# Altium PCB Motherboard.PcbDoc (part 1 of 2) (continued)
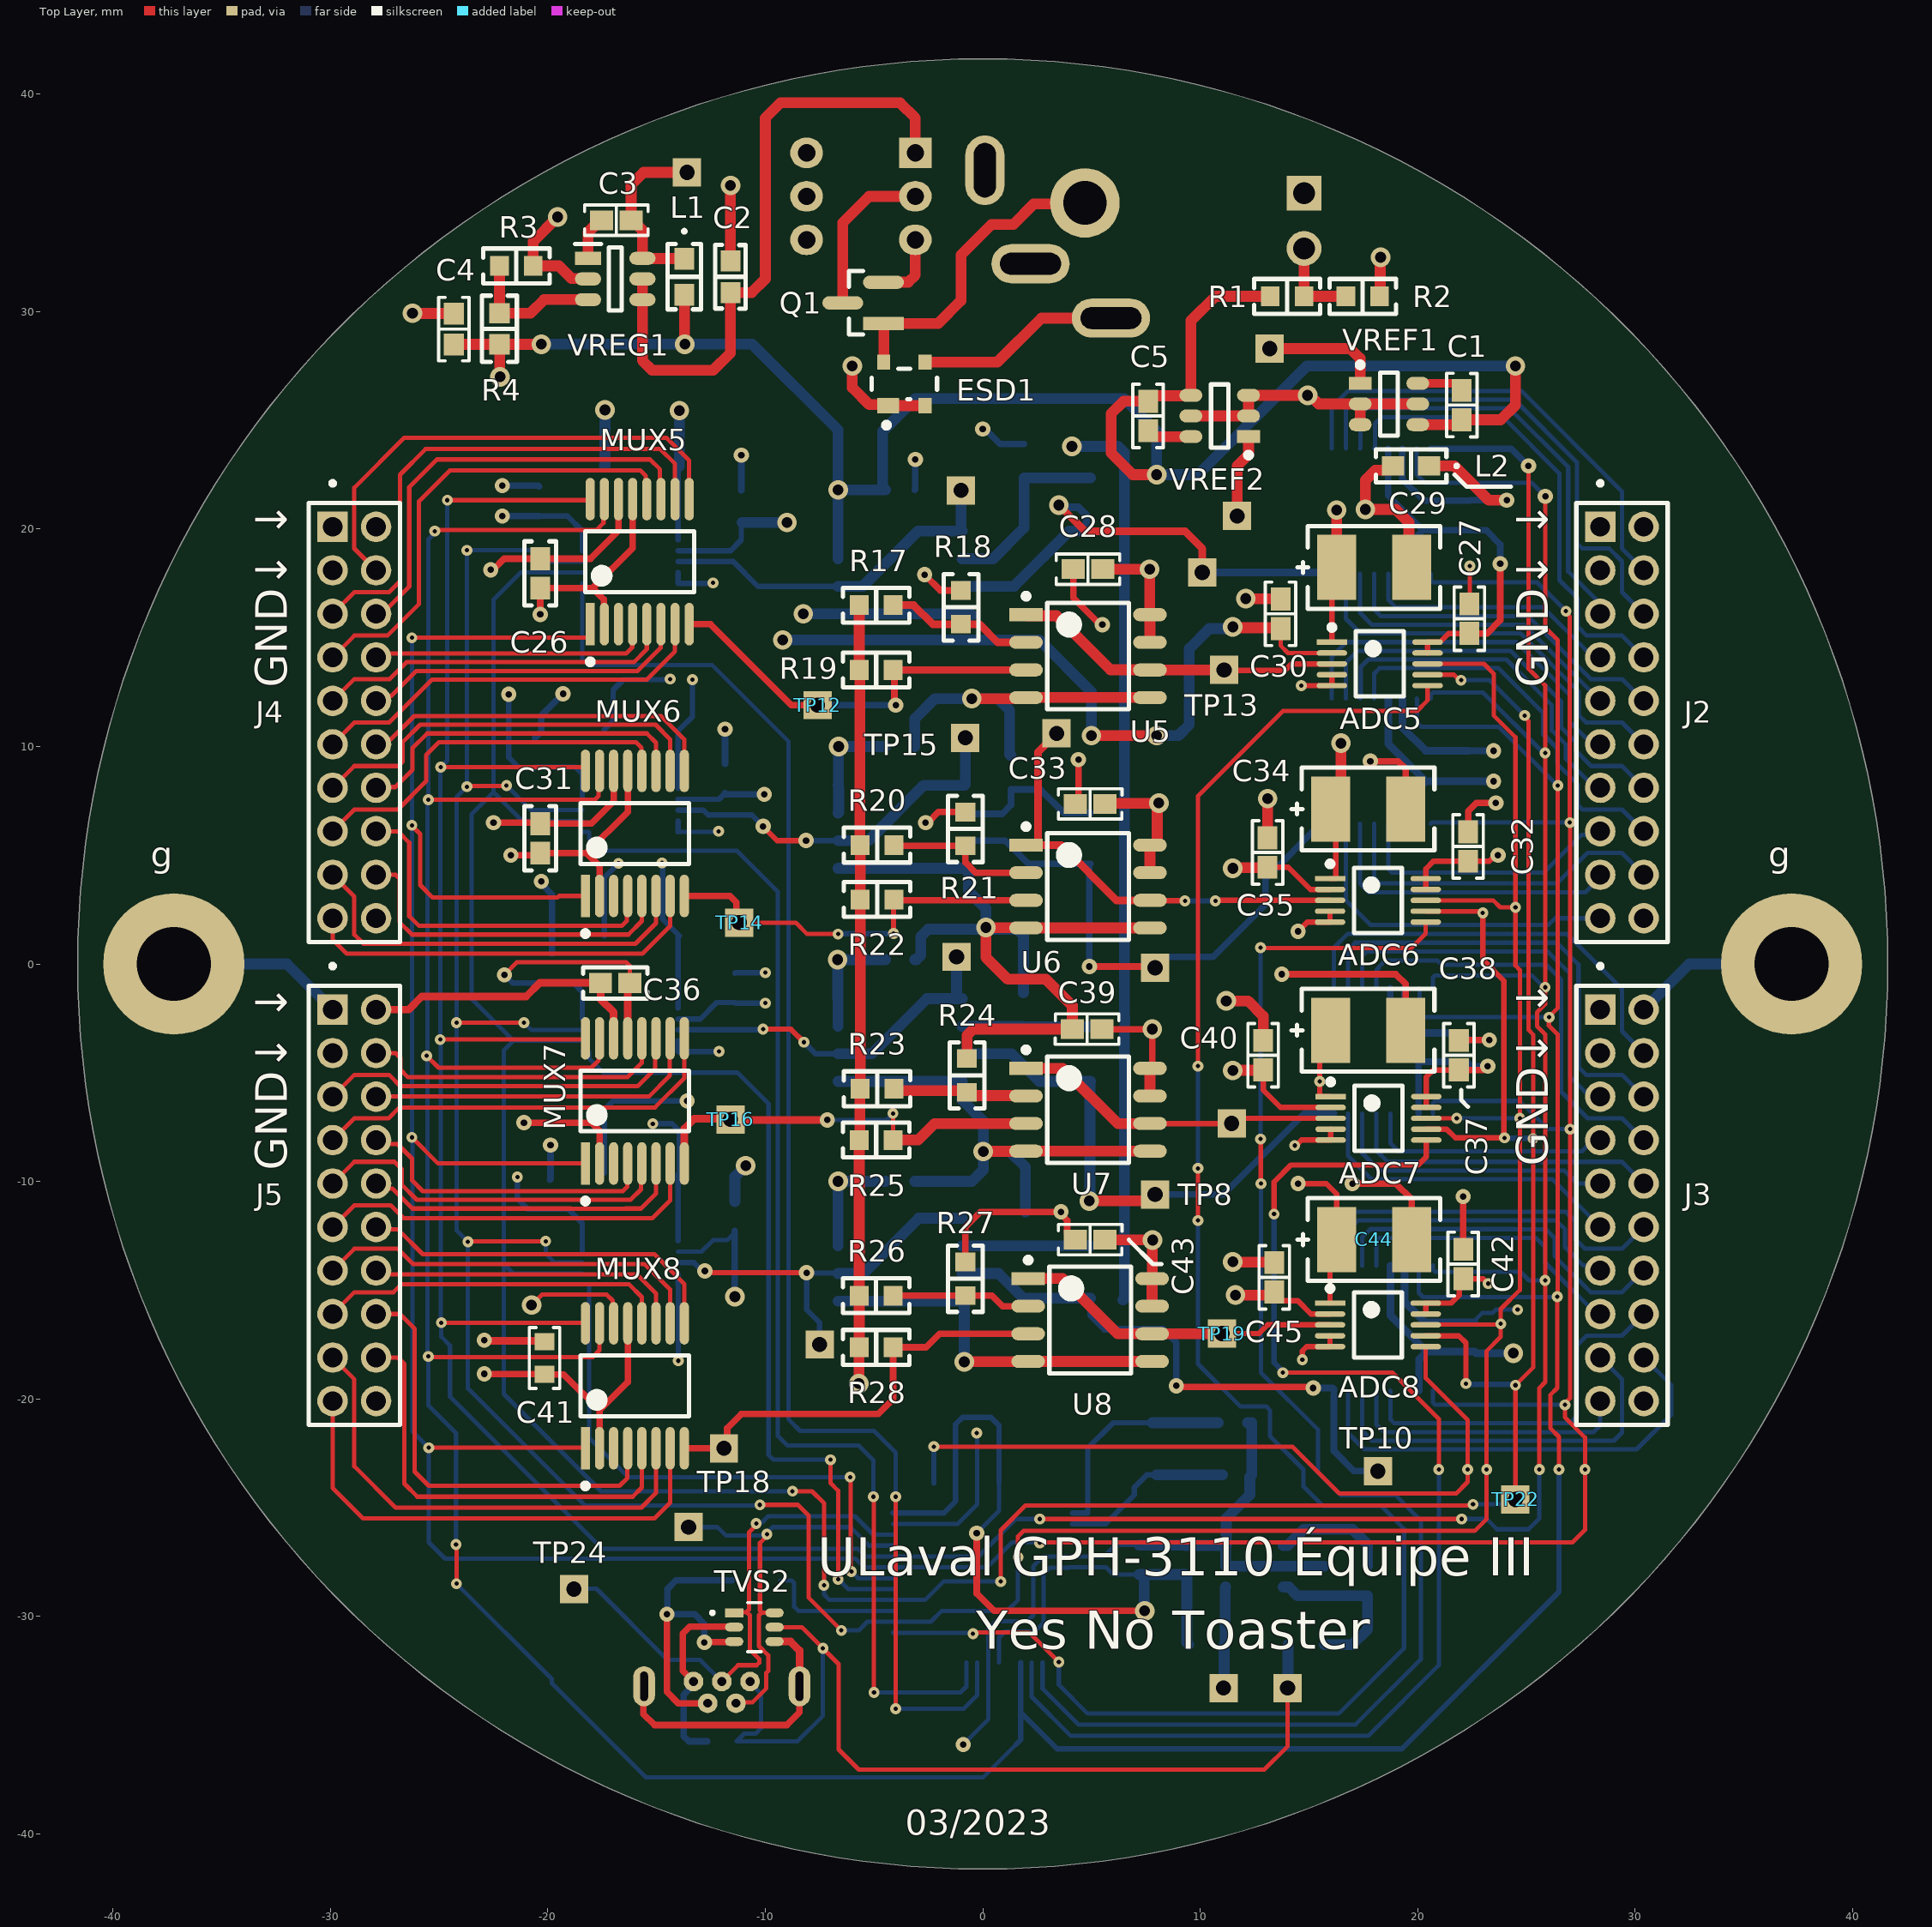
[diagram p0: Top Layer view]
## Part data (continued)
C51 C52: library part "Cap Ceramic 20 pF SMT 0603", "20 pF ±5% 50V Ceramic Capacitor C0G, NP0 0603 (1608 Metric)", Capacitance="20 pF", Device Package="0603 (1608 Metric)", Manufacturer=Yageo, Operating Temperature="-55°C ~ 125°C", Supplier Part Number 1=311-1424-1-ND, Temperature Coefficient="C0G, NP0", Tolerance=±5%, Voltage - Rated=50V, Applications="General Purpose", ComponentLink1Description=Datasheet, ComponentLink1URL=https://www.yageo.com/upload/media/product/productsearch/datasheet/mlcc/UPY-GP_NP0_16V-to-50V_17.pdf, ComponentLink2Description="DigiKey Link", ComponentLink2URL=https://www.digikey.com/en/products/detail/yageo/CC0603JRNPO9BN200/2833589, lastupdated="2023-03-06 20:07:50", Lifecycle Status=Active, Minimum Order=1, Mounting Type="Surface Mount, MLCC", Package / Case="0603 (1608 Metric)", Packaging=TapeAndReel, Part Number=CC0603JRNPO9BN200, Part Status=Active, partid=16728, price=0.01, Series=CC, Size / Dimension="0.063\" L x 0.031\" W (1.60mm x 0.80mm)", Supplier 1=Digi-Key, Supplier 2=Digi-Key, Supplier 3=Digi-Key, Supplier Part Number 2=311-1424-6-ND, Supplier Part Number 3=311-1424-2-ND, Thickness (Max)="0.035\" (0.90mm)"
D1: library part "Schottky Diode 30V", "Schottky Diode 30 V 500mA Surface Mount SOD-323", Capacitance @ Vr, F="10pF @ 1V, 1MHz", Current - Average Rectified (Io)="500mA (DC)", Current - Reverse Leakage @ Vr="200µA @ 30V", Manufacturer="ON Semiconductor", Operating Temperature - Junction="-55°C ~ 150°C", Package / Case="SC-76, SOD-323", Supplier Device Package=SOD-323, Supplier Part Number 1=NSR0530HT1GOSCT-ND, Voltage - DC Reverse (Vr) (Max)=30V, Voltage - Forward (Vf) (Max) @ If="620mV @ 500mA", ComponentLink1Description=Datasheet, ComponentLink1URL=http://www.onsemi.com/pub/Collateral/NSR0530H-D.PDF, ComponentLink2Description="DigiKey Link", ComponentLink2URL=http://digikey.com/product-detail/en/on-semiconductor/NSR0530HT1G/NSR0530HT1GOSCT-ND/5761654, Diode Type=Schottky, lastupdated="2023-03-06 21:08:52", Lifecycle Status=Active, Minimum Order=1, Mounting Type="Surface Mount", Packaging=TapeAndReel, Part Number=NSR0530HT1G, Part Status=Active, partid=3077, price=0.03, Series=-, Speed="Fast Recovery =< 500ns, > 200mA (Io)", Supplier 1=Digi-Key, Supplier 2=Digi-Key, Supplier 3=Digi-Key, Supplier Part Number 2=NSR0530HT1GOSDKR-ND, Supplier Part Number 3=NSR0530HT1GOSTR-ND
ESD1: library part "TVS Diode Array Ultra-Low Capacitance", "Clamp Ipp Tvs Diode Surface Mount SOT-143B", Supplier Part Number 1=1727-3884-1-ND, Supplier 1=Digi-Key, Supplier 2=Digi-Key, Supplier 3=Digi-Key, Supplier Part Number 2=1727-3884-6-ND, Supplier Part Number 3=1727-3884-2-ND
FB1 FB2: library part "Ferrite Bead 0R SMD 0603", "0Ω 1 Power Line Ferrite Bead 0603 (1608 Metric) 6A 20mOhm", Current Rating (Max)=6A, DC Resistance (DCR) (Max)=20mOhm, Device Package="0603 (1608 Metric)", Impedance @ Frequency="0 Ohms @ 100 MHz", Manufacturer="Eaton - Electronics Division", Operating Temperature="-40°C ~ 85°C", Supplier Part Number 1=283-MFBM1V1608-000-RCT-ND, ComponentLink1Description=Datasheet, ComponentLink1URL=https://www.eaton.com/content/dam/eaton/products/electronic-components/resources/data-sheet/eaton-mfbm1v1608-high-current-multilayer-ferrite-chip-bead-data-sheet.pdf, ComponentLink2Description="DigiKey Link", ComponentLink2URL=https://www.digikey.com/en/products/detail/eaton-electronics-division/MFBM1V1608-000-R/13161356, Filter Type="Power Line", Height (Max)="0.039\" (1.00mm)", lastupdated="2023-03-12 7:51:35 PM", Lifecycle Status=Active, Minimum Order=1, Mounting Type="Surface Mount", Number of Lines=1, Package / Case="0603 (1608 Metric)", Packaging=TapeAndReel, Part Number=MFBM1V1608-000-R, Part Status=Active, partid=2605, price=0.01, Series=MFBM1V1608, Size / Dimension="0.063\" L x 0.031\" W (1.60mm x 0.80mm)", Supplier 1=Digi-Key, Supplier 2=Digi-Key, Supplier Part Number 2=283-MFBM1V1608-000-RDKR-ND
J1: library part "DC Power Jack 2.5 mm Vertical", "Power Barrel Connector Jack 2.50mm ID (0.098\"), 5.50mm OD (0.217\") Through Hole", Current Rating=5A, Max Operating Temperature=85°C, Min Operating Temperature=-25°C, Supplier Part Number 1=102-5562-1-ND, Voltage Rating=25V, Contact Material="Brass, Copper Alloy", Contact Material - Plating=Silver, Housing Material="Polyamide (PA10T), Nylon 10T", Shielding=Shielded, Supplier 1=Digi-Key, Supplier 2=Digi-Key, Supplier Part Number 2=102-5562-2-ND
J2 J3 J4 J5: library part "Headers 20 Pos TH 0.079\" 4-3", "Connector Header Through Hole 20 position 0.079\" (2.00mm)", Supplier Part Number 1=2073-BF050-20-A-B-0400-0300-L-G-ND, Supplier 1=Digi-Key
L1 L2: library part "Inductor 4.7 µH SMT 0603", "4.7 µH Shielded Multilayer Inductor 15 mA 2.1Ohm Max 0603 (1608 Metric)", Case Code (Imperial)=1206, Max Operating Temperature=125°C, Min Operating Temperature=-55°C, Self Resonant Frequency=41MHz, Supplier Part Number 1=541-4369-1-ND, Tolerance=10%, ComponentLink1Description=Datasheet, ComponentLink1URL=https://www.vishay.com/docs/34029/ilsb1206.pdf, Core Material=Ferrite, Depth=1.8mm, Supplier 1=Digi-Key, Supplier 2=Digi-Key, Supplier Part Number 2=541-4369-6-ND, Weight=0.000353oz, Width=1.6mm
LED1: library part "LED Green 3mm Vertical", "Green 530nm LED Indication - Discrete 3.2V Radial", Operating Voltage=3.2V, Supplier Part Number 1=732-5012-ND, Supplier 1=Digi-Key
M1 M2: library part "Standoff M3 7mm", "Hex Standoff Threaded M3x0.5 Brass 0.276\" (7.00mm)", Supplier Part Number 1=952-1498-ND, Supplier 1=Digi-Key
MUX1 MUX2 MUX3 MUX4 MUX5 MUX6 MUX7 MUX8: library part "MUX Analog 8:1", "5-V, 8: 1, 1-channel general-purpose analog multiplexer with 1.8-V input logic 16-TSSOP -40 to 125", Supplier Part Number 1=296-51847-1-ND, ComponentLink1Description=Datasheet, ComponentLink1URL=https://www.ti.com/lit/ds/symlink/tmux1208.pdf?HQS=dis-dk-null-digikeymode-dsf-pf-null-wwe&ts=1678139087624&ref_url=https%253A%252F%252Fwww.ti.com%252Fgeneral%252Fdocs%252Fsuppproductinfo.tsp%253FdistId%253D10%2526gotoUrl%253Dhttps%253A%252F%252Fwww.ti.com%252Flit%252Fgpn%252Ftmux1208, Supplier 1=Digi-Key, Supplier 2=Digi-Key, Supplier 3=Digi-Key, Supplier Part Number 2=296-51847-6-ND, Supplier Part Number 3=296-51847-2-ND
Q1: library part "MOSFET P-Channel 30V SMD", "P-Channel 30 V 2.3A (Ta) 1.25W (Ta) Surface Mount Micro3™/SOT-23", Current - Continuous Drain (Id) @ 25°C="2.3A (Ta)", Drain to Source Voltage (Vdss)="30 V", Drive Voltage (Max Rds On,  Min Rds On)="4.5V, 10V", Input Capacitance (Ciss) (Max) @ Vds="160 pF @ 25 V", Manufacturer="Infineon Technologies", Operating Temperature="-55°C ~ 150°C (TJ)", Package / Case="TO-236-3, SC-59, SOT-23-3", Power Dissipation (Max)="1.25W (Ta)", Supplier Device Package=Micro3™/SOT-23, Supplier Part Number 1=IRLML9303TRPBFCT-ND, ComponentLink1Description=Datasheet, ComponentLink1URL=https://www.infineon.com/dgdl/irlml9303pbf.pdf?fileId=5546d462533600a401535668ef1d2642, ComponentLink2Description="DigiKey Link", ComponentLink2URL=https://www.digikey.com/en/products/detail/infineon-technologies/IRLML9303TRPBF/2354147, FET Type=P-Channel, Gate Charge (Qg) (Max) @ Vgs="2 nC @ 4.5 V", lastupdated="2023-03-05 21:05:43", Lifecycle Status=Active, Minimum Order=1, Mounting Type="Surface Mount", Packaging=TapeAndReel, Part Number=IRLML9303TRPBF, Part Status=Active, price=0.11, Rds On (Max) @ Id, Vgs="165mOhm @ 2.3A, 10V", Series=HEXFET®, Supplier 1=Digi-Key, Supplier 2=Digi-Key, Supplier 3=Digi-Key, Supplier Part Number 2=IRLML9303TRPBFDKR-ND, Supplier Part Number 3=IRLML9303TRPBFTR-ND, Technology="MOSFET (Metal Oxide)", Vgs (Max)=±20V, Vgs(th) (Max) @ Id="2.4V @ 10µA"
R1: library part "Res 2K61 1% SMT 0603", "2.61 kOhms ±1% 0.1W, 1/10W Chip Resistor 0603 (1608 Metric) Moisture Resistant Thick Film", Device Package="0603 (1608 Metric)", Manufacturer=Yageo, Operating Temperature="-55°C ~ 155°C", Power (Watts)="0.1W, 1/10W", Resistance=2K61, Supplier Device Package=0603, Supplier Part Number 1=311-2.61KHRCT-ND, Temperature Coefficient=±100ppm/°C, Tolerance=±1%, ComponentLink1Description=Datasheet, ComponentLink1URL=https://www.yageo.com/upload/media/product/productsearch/datasheet/rchip/PYu-RC_Group_51_RoHS_L_10.pdf, ComponentLink2Description="DigiKey Link", ComponentLink2URL=https://www.digikey.com/en/products/detail/yageo/RC0603FR-072K61L/727030, Composition="Thick Film", Features="Moisture Resistant", Height - Seated (Max)="0.022\" (0.55mm)", lastupdated="2023-03-10 20:29:10", Lifecycle Status=Active, Minimum Order=1, Number of Terminations=2, Package / Case="0603 (1608 Metric)", Packaging=CutTape, Part Number=RC0603FR-072K61L, Part Status=Active, partid=19094, price=0.01, Series=RC_L, Size / Dimension="0.063\" L x 0.031\" W (1.60mm x 0.80mm)", Supplier 1=Digi-Key, Supplier 2=Digi-Key, Supplier 3=Digi-Key, Supplier Part Number 2=311-2.61KHRDKR-ND, Supplier Part Number 3=311-2.61KHRTR-ND
R2: library part "Res 4K64 1% SMT 0603", "4.64 kOhms ±1% 0.1W, 1/10W Chip Resistor 0603 (1608 Metric) Moisture Resistant Thick Film", Device Package="0603 (1608 Metric)", Manufacturer=Yageo, Operating Temperature="-55°C ~ 155°C", Power (Watts)="0.1W, 1/10W", Resistance=4K64, Supplier Device Package=0603, Supplier Part Number 1=311-4.64KHRCT-ND, Temperature Coefficient=±100ppm/°C, Tolerance=±1%, ComponentLink1Description=Datasheet, ComponentLink1URL=https://www.yageo.com/upload/media/product/productsearch/datasheet/rchip/PYu-RC_Group_51_RoHS_L_10.pdf, ComponentLink2Description="DigiKey Link", ComponentLink2URL=https://www.digikey.com/en/products/detail/yageo/RC0603FR-074K64L/727211, Composition="Thick Film", Features="Moisture Resistant", Height - Seated (Max)="0.022\" (0.55mm)", lastupdated="2023-03-10 20:29:36", Lifecycle Status=Active, Minimum Order=1, Number of Terminations=2, Package / Case="0603 (1608 Metric)", Packaging=CutTape, Part Number=RC0603FR-074K64L, Part Status=Active, partid=12437, price=0.01, Series=RC_L, Size / Dimension="0.063\" L x 0.031\" W (1.60mm x 0.80mm)", Supplier 1=DigiKey
R3: "RES 22.1K OHM 1% 1/10W 0603", Device Package="0603 (1608 Metric)", Manufacturer=Yageo, Operating Temperature="-55°C ~ 155°C", Part Number=RC0603FR-0722K1L, Power (Watts)="0.1W, 1/10W", Resistance=22K1, Supplier Device Package=0603, Supplier Part Number 1=311-22.1KHRCT-ND, Temperature Coefficient=±100ppm/°C, Tolerance=±1%, ComponentLink1Description=Datasheet, ComponentLink1URL=https://www.yageo.com/upload/media/product/productsearch/datasheet/rchip/PYu-RC_Group_51_RoHS_L_10.pdf, ComponentLink2Description="DigiKey Link", ComponentLink2URL=https://www.digikey.com/en/products/detail/yageo/RC0603FR-0722K1L/727058, Composition="Thick Film", Features="Moisture Resistant", Height - Seated (Max)="0.022\" (0.55mm)", lastupdated="2023-03-08 20:29:23", Lifecycle Status=Active, Minimum Order=1, Number of Terminations=2, Package / Case="0603 (1608 Metric)", Packaging=CutTape, Part Status=Active, partid=19017, price=0.01, Series=RC_L, Size / Dimension="0.063\" L x 0.031\" W (1.60mm x 0.80mm)", Supplier 1=Digi-Key, Supplier 2=Digi-Key, Supplier 3=Digi-Key, Supplier Part Number 2=311-22.1KHRDKR-ND, Supplier Part Number 3=311-22.1KHRTR-ND
R4: "88.7 kΩ ±1% 0.1W, 1/10W Chip Resistor 0603 (1608 Metric) Automotive AEC-Q200 Thick Film", Device Package="0603 (1608 Metric)", Manufacturer="Vishay Dale", Operating Temperature="-55°C ~ 155°C", Part Number=CRCW060388K7FKEB, Power (Watts)="0.1W, 1/10W", Ratings=AEC-Q200, Resistance=88K7, Supplier Device Package=0603, Supplier Part Number 1=541-CRCW060388K7FKEBCT-ND, Temperature Coefficient=±100ppm/°C, Tolerance=±1%, ComponentLink1Description=Datasheet, ComponentLink1URL=http://www.vishay.com/docs/20035/dcrcwe3.pdf, ComponentLink2Description="DigiKey Link", ComponentLink2URL=https://www.digikey.com/en/products/detail/vishay-dale/CRCW060388K7FKEB/5073407, Composition="Thick Film", Features="Automotive AEC-Q200", Height - Seated (Max)="0.020\" (0.50mm)", lastupdated="2023-03-06 20:27:22", Lifecycle Status=Active, Minimum Order=1, Number of Terminations=2, Package / Case="0603 (1608 Metric)", Packaging=CutTape, Part Status=Active, partid=56612, price=0.01, Series=CRCW, Size / Dimension="0.063\" L x 0.033\" W (1.60mm x 0.85mm)", Supplier 1=Digi-Key, Supplier 2=Digi-Key, Supplier Part Number 2=541-CRCW060388K7FKEBDKR-ND
R5 R6 R7 R8 R9 R10 R11 R12 R13 R14 R15 R16 R17 R18 R19 R20 R21 R22 R23 R24 R25 R26 R27 R28: "10 kΩ  ±0.1% 0.1W, 1/10W Chip Resistor 0603 (1608 Metric) Thin Film", Device Package="0603 (1608 Metric)", Manufacturer=Yageo, Operating Temperature="-55°C ~ 155°C", Part Number=RT0603BRD0710KL, Power (Watts)="0.1W, 1/10W", Resistance=10K, Supplier Device Package=0603, Supplier Part Number 1=YAG1236CT-ND, Temperature Coefficient=±25ppm/°C, Tolerance=±0.1%, ComponentLink1Description=Datasheet, ComponentLink1URL=https://www.yageo.com/upload/media/product/productsearch/datasheet/rchip/PYu-RT_1-to-0.01_RoHS_L_11.pdf, ComponentLink2Description="DigiKey Link", ComponentLink2URL=https://www.digikey.com/en/products/detail/yageo/RT0603BRD0710KL/1072198, Composition="Thin Film", Height - Seated (Max)="0.022\" (0.55mm)", lastupdated="2023-03-06 20:27:57", Lifecycle Status=Active, Minimum Order=1, Number of Terminations=2, Package / Case="0603 (1608 Metric)", Packaging=TapeAndReel, Part Status=Active, partid=22611, price=0.03, Series=RT, Size / Dimension="0.063\" L x 0.031\" W (1.60mm x 0.80mm)", Supplier 1=Digi-Key, Supplier 2=Digi-Key, Supplier 3=Digi-Key, Supplier Part Number 2=YAG1236DKR-ND, Supplier Part Number 3=YAG1236TR-ND
S1: library part "SW DPDT Pushbutton V2", "Pushbutton Switch DPDT Standard Through Hole", Supplier Part Number 1=EG6030-ND, Code_IPC=SOT26A-6, Code_JEITA=SC-74, LatestRevisionDate=29-May-2009, LatestRevisionNote="IPC-7351 Footprint Added.", PackageDescription="6-Pin SOT-23 Package 0.95 mm Pitch, 2.7 mm Lead Span", PackageReference=SOT23-6, PackageVersion=Mar-2001, Published=24-Mar-1999, Publisher="Altium Limited", Supplier 1=Digi-Key
TVS2: "25V Clamp 6A (8/20µs) Ipp Tvs Diode Surface Mount SC-70-6", Supplier Part Number 1=RCLAMP0504FATCTCT-ND, Supplier 1=Digi-Key, Supplier 2=Digi-Key, Supplier 3=Digi-Key, Supplier Part Number 2=RCLAMP0504FATCTDKR-ND, Supplier Part Number 3=RCLAMP0504FATCTTR-ND
U1 U2 U3: library part "Instrumentation Op Amp 35 MHz 8 pins", "Instrumentation Amplifier 1 Circuit Rail-to-Rail 8-SOIC", Supplier Part Number 1=MCP6N11-100E/SN-ND, Supplier 1=Digi-Key
U4 U5 U6 U7 U8: "Instrumentation Amplifier 1 Circuit Rail-to-Rail 8-SOIC", Supplier Part Number 1=MCP6N11-100E/SN-ND, Supplier 1=Digi-Key
USB1: library part "USB Micro-AB Connector A", "USB - Micro AB 2.0 Receptacle Connector 5 Position, Vertical, Through Hole with 2.30 mm (Standard) Shell Stakes, 5-Pin THD, RoHS, Tape and Reel", Supplier Part Number 1=18X0232, Supplier 1=Newark
VREF1 VREF3: "Series Voltage Reference IC Fixed 3.3V V ±0.1% 20 mA SOT-23-6", Case/Package=SOT-23-6, Max Operating Temperature=125°C, Min Operating Temperature=-40°C, Min Output Voltage=3.3V, Operating Supply Current=550μA, Output Current=20mA, Supplier Part Number 1=MCP1501T-33E/CHYCT-ND, Temperature Coefficient=50ppm/°C, Tolerance=0.08%, ComponentLink1Description=Datasheet, ComponentLink1URL=https://ww1.microchip.com/downloads/aemDocuments/documents/MSLD/ProductDocuments/DataSheets/MCP1501-Data-Sheet-DS20005474F.pdf, Output Type=Fixed, Reference Type=Series, Supplier 1=Digi-Key, Supplier 2=Digi-Key, Supplier 3=Digi-Key, Supplier Part Number 2=MCP1501T-33E/CHYDKR-ND, Supplier Part Number 3=MCP1501T-33E/CHYTR-ND
VREF2: "Series Voltage Reference IC Fixed 1.8V V ±0.1% 20 mA SOT-23-6", Case/Package=SOT-23-6, Max Operating Temperature=125°C, Min Operating Temperature=-40°C, Min Output Voltage=1.8V, Operating Supply Current=550μA, Output Current=20mA, Supplier Part Number 1=MCP1501T-18E/CHYCT-ND, Temperature Coefficient=50ppm/°C, Tolerance=0.08%, ComponentLink1Description=Datasheet, ComponentLink1URL=https://ww1.microchip.com/downloads/aemDocuments/documents/MSLD/ProductDocuments/DataSheets/MCP1501-Data-Sheet-DS20005474F.pdf, Output Type=Fixed, Reference Type=Series, Supplier 1=Digi-Key, Supplier 2=Digi-Key, Supplier Part Number 2=MCP1501T-18E/CHYDKR-ND
VREG1: "Buck Switching Regulator IC Positive Adjustable 1V 1 Output 1A SOT-23-6", Arrow Part Number=LMR50410YFQDBVRQ1, Manufacturer_Name="Texas Instruments", Mouser Part Number=595-MR50410YFQDBVRQ1, Supplier Part Number 1=296-LMR50410YFQDBVRQ1CT-ND, Arrow Price/Stock=https://www.arrow.com/en/products/lmr50410yfqdbvrq1/texas-instruments?region=nac, Datasheet Link=https://www.ti.com/product/LMR50410-Q1, Height=1.45mm, Manufacturer_Part_Number=LMR50410YFQDBVRQ1, Mouser Price/Stock=https://www.mouser.co.uk/ProductDetail/Texas-Instruments/LMR50410YFQDBVRQ1?qs=81r%252BiQLm7BRUAgUFqYZycA%3D%3D, Supplier 1=Digi-Key, Supplier 2=Digi-Key, Supplier 3=Digi-Key, Supplier Part Number 2=296-LMR50410YFQDBVRQ1DKR-ND, Supplier Part Number 3=296-LMR50410YFQDBVRQ1TR-ND
Y1: library part "Crystal Abracon ABS07", "32.768 kHz ±20ppm Crystal 6pF 55 kOhms 2-SMD, No Lead", ESR (Equivalent Series Resistance)="55 kOhms", Frequency="32.768 kHz", Frequency Tolerance=±20ppm, Load Capacitance=6pF, Manufacturer="Abracon LLC", Operating Mode=Fundamental, Operating Temperature="-40°C ~ 85°C", Package / Case="2-SMD, No Lead", Supplier Part Number 1=535-11937-1-ND, ComponentLink1Description=Datasheet, ComponentLink1URL=https://abracon.com/Resonators/ABS07-120-32.768kHz-T.pdf, ComponentLink2Description="DigiKey Link", ComponentLink2URL=https://www.digikey.com/en/products/detail/abracon-llc/ABS07-120-32-768KHZ-T/3724043, Height - Seated (Max)="0.035\" (0.90mm)", lastupdated="2023-03-06 20:57:22", Lifecycle Status=Active, Minimum Order=1, Mounting Type="Surface Mount", Packaging=TapeAndReel, Part Number=ABS07-120-32.768KHZ-T, Part Status=Active, partid=385, price=0.44, Series=ABS07, Size / Dimension="0.126\" L x 0.059\" W (3.20mm x 1.50mm)", Supplier 1=Digi-Key, Supplier 2=Digi-Key, Supplier 3=Digi-Key, Supplier Part Number 2=535-11937-6-ND, Supplier Part Number 3=535-11937-2-ND, Type="kHz Crystal (Tuning Fork)"

## Via types
v1: diameter 0.5, hole 0.2, Top Layer to Bottom Layer, 107 vias
v2: diameter 0.7, hole 0.3, Top Layer to Bottom Layer, 54 vias
v3: diameter 0.9, hole 0.5, Top Layer to Bottom Layer, 50 vias

## Nets (pads, with @x,y where several pads share a name; then routed paths per layer and width w, separated by ;. In a path a pad name is that pad's centre, name@x,y a point inside that pad or via, vN(x,y) a via of type N, cw(c..) or ccw(c..) an arc to the next point about the centre after c; other vN are vias at no path point)
+1.8: ADC1.2 ADC2.2 ADC3.2 ADC4.2 ADC5.2 ADC6.2 ADC7.2 ADC8.2 C10.1 C15.1 C20.1 C25.1 C30.1 C35.1 C40.1 C45.1 TP2.1 VREF2.1 | length 73.2
  Top Layer w0.2: C30.1@13.7,15.423 13.7,14.644 14.044,14.3 ADC5.2@16.058,14.3
  Top Layer w0.25: C40.1@12.9,-4.877 12.9,-5.8 13.7,-6.6 ADC7.2@15.975,-6.6 ; C35.1@13.1,4.446 14.054,4.446 15.075,3.425 ADC6.2@15.975,3.425 ; C45.1@13.407,-15.157 13.744,-15.494 14.494,-15.494 15.1,-16.1 ADC8.2@15.975,-16.1
  Top Layer w0.5: v3(5,10.5) v3(8,10.5) ; v3(11.5,-4.9) 11.512,-4.888 12.888,-4.888 C40.1@12.9,-4.877 ; v3(11.5,4.4) 11.523,4.423 13.077,4.423 C35.1@13.1,4.446 ; v3(11.5,15.5) 11.538,15.462 13.662,15.462 C30.1@13.7,15.423 ; v3(11.627,-15.227) 13.275,-15.227 C45.1@13.413,-15.089 ; TP2.1@11.7,20.6 11.7,22.9 12.225,23.425 VREF2.1@12.225,24.25
  Bottom Layer w0.2: ADC4.2@-14.017,-13.235 -12.935,-13.235 -12.406,-12.706 -11.756,-12.706 C25.1@-11.4,-12.35
  Bottom Layer w0.25: ADC3.2@-14.017,-2.529 -12.983,-2.529 -12.231,-1.777 C20.1@-11.4,-1.777 -11.377,-1.8 v1(-10,-1.8) ; ADC2.2@-14.017,7.571 -12.127,7.571 C15.1@-11.85,7.848 ; ADC1.2@-14.017,19.003 -11.597,19.003 -11.1,19.5 C10.1@-11.1,20.323 C10.1@-11.077,20.3
  Bottom Layer w0.3: C15.1@-11.85,7.848 -11.802,7.8 v2(-10.05,7.8) ; v3(-11.4,-15.3) -11.4,-12.35 C25.1@-11.4,-12.277
  Bottom Layer w0.5: C10.1@-11.077,20.3 v3(-9,20.3) ; v3(-9.2,14.9) 2.6,14.9 5,12.5 v3(5,10.5) ; v3(8,10.5) 9,10.5 9.5,11 9.5,14.5 10.423,15.423 11.423,15.423 v3(11.5,15.5)
+3.3: ADC1.1 ADC2.1 ADC3.1 ADC4.1 ADC5.1 ADC6.1 ADC7.1 ADC8.1 C9.2 C14.2 C19.2 C24.2 C29.2 C34.2 C38.2 C44.2 R5.1 R7.1 R8.1 R10.1 R11.1 R13.1 R14.1 R16.1 R17.1 R19.1 R20.1 R22.1 R23.1 R25.1 R26.1 R28.1 TP1.1 VREF1.1 | length 131.2
  Top Layer w0.25: v2(14.5,-10.1) 15.8,-10.1 16.275,-10.575 C44.2@16.275,-12.675 15.975,-12.975 ADC8.1@15.975,-15.6 ; ADC7.1@15.975,-6.1 15.5,-6.1 v1(15.5,-5.4) 15.5,-3.55 C38.2@16,-3.05 ; ADC6.1@15.975,3.925 16.238,3.925 16.238,6.887 C34.2@16,7.125 ; ADC5.1@16.058,14.8 16.058,18.018 C29.2@16.275,18.235
  Top Layer w0.5: v3(-5.7,-19.3) -5.688,-19.288 -5.688,-17.642 R28.1@-5.677,-17.63 ; R28.1@-5.677,-17.63 -5.678,-15.256 R26.1@-5.679,-15.255 -5.678,-15.254 R25.1@-5.677,-8.1 R25.1@-5.677,-8.1 -5.656,-8.079 -5.656,-5.761 R23.1@-5.635,-5.74 R22.1@-5.635,2.965 R20.1@-5.635,5.465 -5.656,5.486 -5.656,13.499 R19.1@-5.677,13.52 R17.1@-5.677,16.502 ; TP1.1@13.2,28.3 16.9,28.3 17.358,27.842 VREF1.1@17.358,26.7 ; C34.2@16,7.125 16.475,7.6 v3(16.475,10.15) ; C29.2@16.275,18.235 v3(16.275,20.875)
  Bottom Layer w0.25: v1(-15.175,-7.35) -14.288,-7.35 -13.95,-7.688 C24.2@-13.95,-9.612 -14.017,-9.679 ADC4.1@-14.017,-12.735 ; v1(-14.75,4.65) -14.725,4.625 -14.725,2.063 C19.2@-13.95,1.288 -14.017,1.221 ADC3.1@-14.017,-2.029 ; ADC2.1@-14.017,8.071 -14.017,10.708 C14.2@-13.95,10.775 -13.35,11.375 v1(-13.35,13.075) ; ADC1.1@-14.017,19.503 -14.017,22.821 C9.2@-13.95,22.888
  Bottom Layer w0.5: C9.2@-13.95,22.888 v3(-13.95,25.45) ; v3(4.1,23.8) 6.226,23.8 6.518,23.507 R5.1@6.518,22.349 R7.1@6.518,19.905 R8.1@6.518,6.941 R10.1@6.518,4.6 6.518,-2.391 6.539,-2.412 R11.1@6.539,-2.711 ; R16.1@6.449,-15.445 R16.1@6.518,-15.375 ; R16.1@6.518,-15.402 R16.1@6.518,-15.375 ; R11.1@6.518,-2.89 R13.1@6.518,-5.405 R14.1@6.518,-12.965 R16.1@6.518,-15.375
+5: ADC1.9 ADC1.10 ADC2.9 ADC2.10 ADC3.9 ADC3.10 ADC4.9 ADC4.10 ADC5.9 ADC5.10 ADC6.9 ADC6.10 ADC7.9 ADC7.10 ADC8.9 ADC8.10 C1.2 C4.2 C5.2 C6.2 C7.1 C8.1 C11.2 C12.1 C13.1 C16.2 C17.1 C18.1 C21.2 C22.1 C23.1 C26.2 C27.1 C28.1 C31.2 C32.1 C33.1 C36.2 C37.1 C39.1 C41.2 C42.1 C43.1 L1.2 MUX1.2 MUX1.13 MUX2.2 MUX2.13 MUX3.2 MUX3.13 MUX4.2 MUX4.13 MUX5.2 MUX5.13 MUX6.2 MUX6.13 MUX7.2 MUX7.13 MUX8.2 MUX8.13 R1.1 R4.2 U1.7 U1.8 U2.7 U2.8 U3.7 U3.8 U4.7 U4.8 U5.7 U5.8 U6.7 U6.8 U7.7 U7.8 U8.7 U8.8 VREF1.4 VREF2.4 | length 260.6
  Top Layer w0.2: v2(-22,-0.5) -21.425,0.075 -16.4,0.075 -16.223,-0.102 C36.2@-16.223,-0.875
  Top Layer w0.25: ADC8.9@20.375,-16.1 ADC8.10@20.375,-15.6 21.55,-15.6 21.915,-15.235 21.915,-14.662 C42.1@22.1,-14.477 23.029,-14.477 v1(23.252,-14.7) ; ADC6.9@20.375,3.425 ADC6.10@20.375,3.925 20.375,4.375 20.723,4.723 C32.1@22.325,4.723 23.301,4.723 23.578,5 v2(23.7,5) ; ADC7.9@20.4,-6.6 ADC7.10@20.4,-6.1 20.4,-5.2 20.723,-4.877 C37.1@21.9,-4.877 ; ADC5.9@20.458,14.3 ADC5.10@20.458,14.8 21.033,14.8 21.431,15.198 C27.1@22.383,15.198
  Top Layer w0.3: v2(-22.925,-18.85) -22.913,-18.862 -20.163,-18.862 C41.2@-20.15,-18.875 -19.275,-18.875 -17.625,-20.525 ; v2(-21.7,5) -20.448,5 C31.2@-20.35,5.098 -18.223,5.098 ; v2(-21.1,-7.3) -18,-7.3 -17.625,-7.675 MUX7.2@-17.625,-9.175 ; v2(-20.35,16.075) C26.2@-20.35,17.281 -17.944,17.281 ; MUX8.2@-17.625,-22.275 -17.625,-20.525 ; MUX6.2@-17.625,3.125 -17.625,4.5 -18.223,5.098 ; MUX5.2@-17.4,15.623 -17.423,15.646 -17.423,16.76 -17.944,17.281 ; MUX8.13@-16.325,-16.525 -16.325,-19.225 -17.625,-20.525 ; MUX6.13@-16.325,8.875 -16.325,6.996 -18.223,5.098 ; MUX5.13@-16.1,21.374 -16.1,19.125 -17.944,17.281 ; C39.1@5.477,-3 v3(7.8,-3) 7.8,-4.692 U7.8@7.692,-4.8 ; C37.1@21.9,-4.877 23.015,-4.877 23.192,-4.7 v2(23.225,-4.7) ; C27.1@22.383,15.198 23.198,15.198 23.8,15.8 v2(23.8,18.4)
  Top Layer w0.35: MUX7.13@-16.325,-3.425 -16.325,-0.977 C36.2@-16.223,-0.875
  Top Layer w0.5: C4.2@-24.325,28.493 R4.2@-22.225,28.493 ; v3(-22.2,27) -22.213,27.013 -22.213,28.48 R4.2@-22.225,28.493 ; v3(-20.3,28.5) -20.304,28.496 -22.221,28.496 R4.2@-22.225,28.493 ; L1.2@-13.725,30.775 -13.712,30.762 -13.712,28.512 v3(-13.7,28.5) ; C28.1@5.519,18.155 5.521,18.152 7.673,18.152 v3(7.675,18.15) 7.683,18.142 7.683,16.068 U5.8@7.692,16.06 U5.7@7.692,14.79 ; C43.1@5.619,-12.675 5.631,-12.688 7.802,-12.688 v3(7.814,-12.7) 7.803,-12.711 7.803,-14.459 U8.8@7.792,-14.47 U8.7@7.792,-15.74 ; C33.1@5.619,7.36 5.639,7.38 8.08,7.38 v3(8.1,7.4) 8.023,7.323 8.023,5.511 7.977,5.465 U6.8@7.692,5.465 ; C5.2@7.608,25.877 6.477,25.877 5.9,25.3 5.9,23.5 6.9,22.5 v3(8,22.5) ; U7.7@7.692,-6.07 U7.8@7.692,-4.8 ; U6.7@7.692,4.195 U6.8@7.692,5.503 ; C5.2@7.814,26.131 9.556,26.131 VREF2.4@9.575,26.15 9.575,29.575 10.7,30.7 R1.1@13.223,30.7 ; VREF1.4@20.008,24.8 C1.2@21.827,24.8 ; C1.2@22.033,25.023 23.823,25.023 24.5,25.7 v3(24.5,27.5)
  Bottom Layer w0.2: C21.2@22.625,-17.827 C21.2@22.673,-17.875
  Bottom Layer w0.25: v2(-22,-0.5) -21.623,-0.877 C17.1@-19.8,-0.877 -18.823,-0.877 -18.417,-1.283 ADC3.10@-18.417,-2.029 ADC3.9@-18.417,-2.529 ; v2(-21.8,12.4) -21.8,9.5 -21.323,9.023 C12.1@-20.6,9.023 -20.573,9.05 -18.723,9.05 -18.417,8.744 ADC2.10@-18.417,8.071 ADC2.9@-18.417,7.571 ; v1(-21.4,-9.8) -21.4,-10.8 -20.923,-11.277 C22.1@-19.9,-11.277 -19.057,-11.277 -18.417,-11.917 ADC4.10@-18.417,-12.735 ADC4.9@-18.417,-13.235 ; C7.1@-20.4,20.6 -19.1,20.6 -18.417,19.917 ADC1.10@-18.417,19.503 ADC1.9@-18.417,19.003 ; U2.8@-6.65,8.211 -6.65,8.1 U2.8@-6.625,8.075
  Bottom Layer w0.3: v2(-22.1,20.6) C7.1@-20.4,20.6 ; MUX1.13@18.65,23.7 18.65,21.546 20.248,19.948 ; MUX3.13@18.75,-1.124 18.75,-3.2 20.048,-4.498 ; MUX1.2@19.95,17.949 19.95,19.65 20.248,19.948 ; MUX3.2@20.05,-6.875 20.048,-6.873 20.048,-4.498 ; v2(23.225,-4.7) 22.477,-4.7 22.275,-4.498 20.048,-4.498 ; v2(23.8,18.4) 23.8,19.3 23.152,19.948 20.248,19.948
  Bottom Layer w0.35: MUX2.13@18.65,12.2 18.65,10.125 20.375,8.4 ; MUX4.13@18.75,-13.873 18.75,-16.154 20.423,-17.827 ; MUX2.2@19.95,6.449 19.95,7.975 20.375,8.4 ; MUX4.2@20.05,-19.624 20.064,-19.61 20.064,-18.186 20.423,-17.827 ; C21.2@22.625,-17.827 20.423,-17.827 ; C21.2@22.673,-17.875 22.698,-17.9 v3(24.4,-17.9) ; v2(23.5,8.4) 20.375,8.4
  Bottom Layer w0.5: v3(-20.3,28.5) v3(-13.7,28.5) -10.6,28.5 -6.65,24.55 v3(-6.65,21.8) ; U4.7@-6.65,-12.965 U4.8@-6.65,-11.695 v3(-6.65,-10) C23.1@-4.477,-10 ; U3.7@-6.65,-2.865 U3.8@-6.65,-1.595 -6.662,-1.582 -6.662,0.187 v3(-6.675,0.2) C18.1@-4.477,0.2 ; U2.7@-6.65,6.941 -6.625,6.966 U2.8@-6.625,8.075 ; U2.8@-6.65,8.211 -6.638,8.223 -6.638,9.987 v3(-6.625,10) C13.1@-4.477,10 ; U1.7@-6.65,18.635 U1.8@-6.65,19.905 v3(-6.65,21.8) ; v3(24.5,27.5) 14.9,27.5 9.9,22.5 v3(8,22.5) 8,24.5 6.5,26 -3.1,26 -4.6,24.5 -4.6,21.923 C8.1@-4.477,21.8 v3(-6.65,21.8)